# Allegro board T736_DEMO_CORE_AXP8191_LP4_4X_32X1_V0_5-draft.brd (continued)
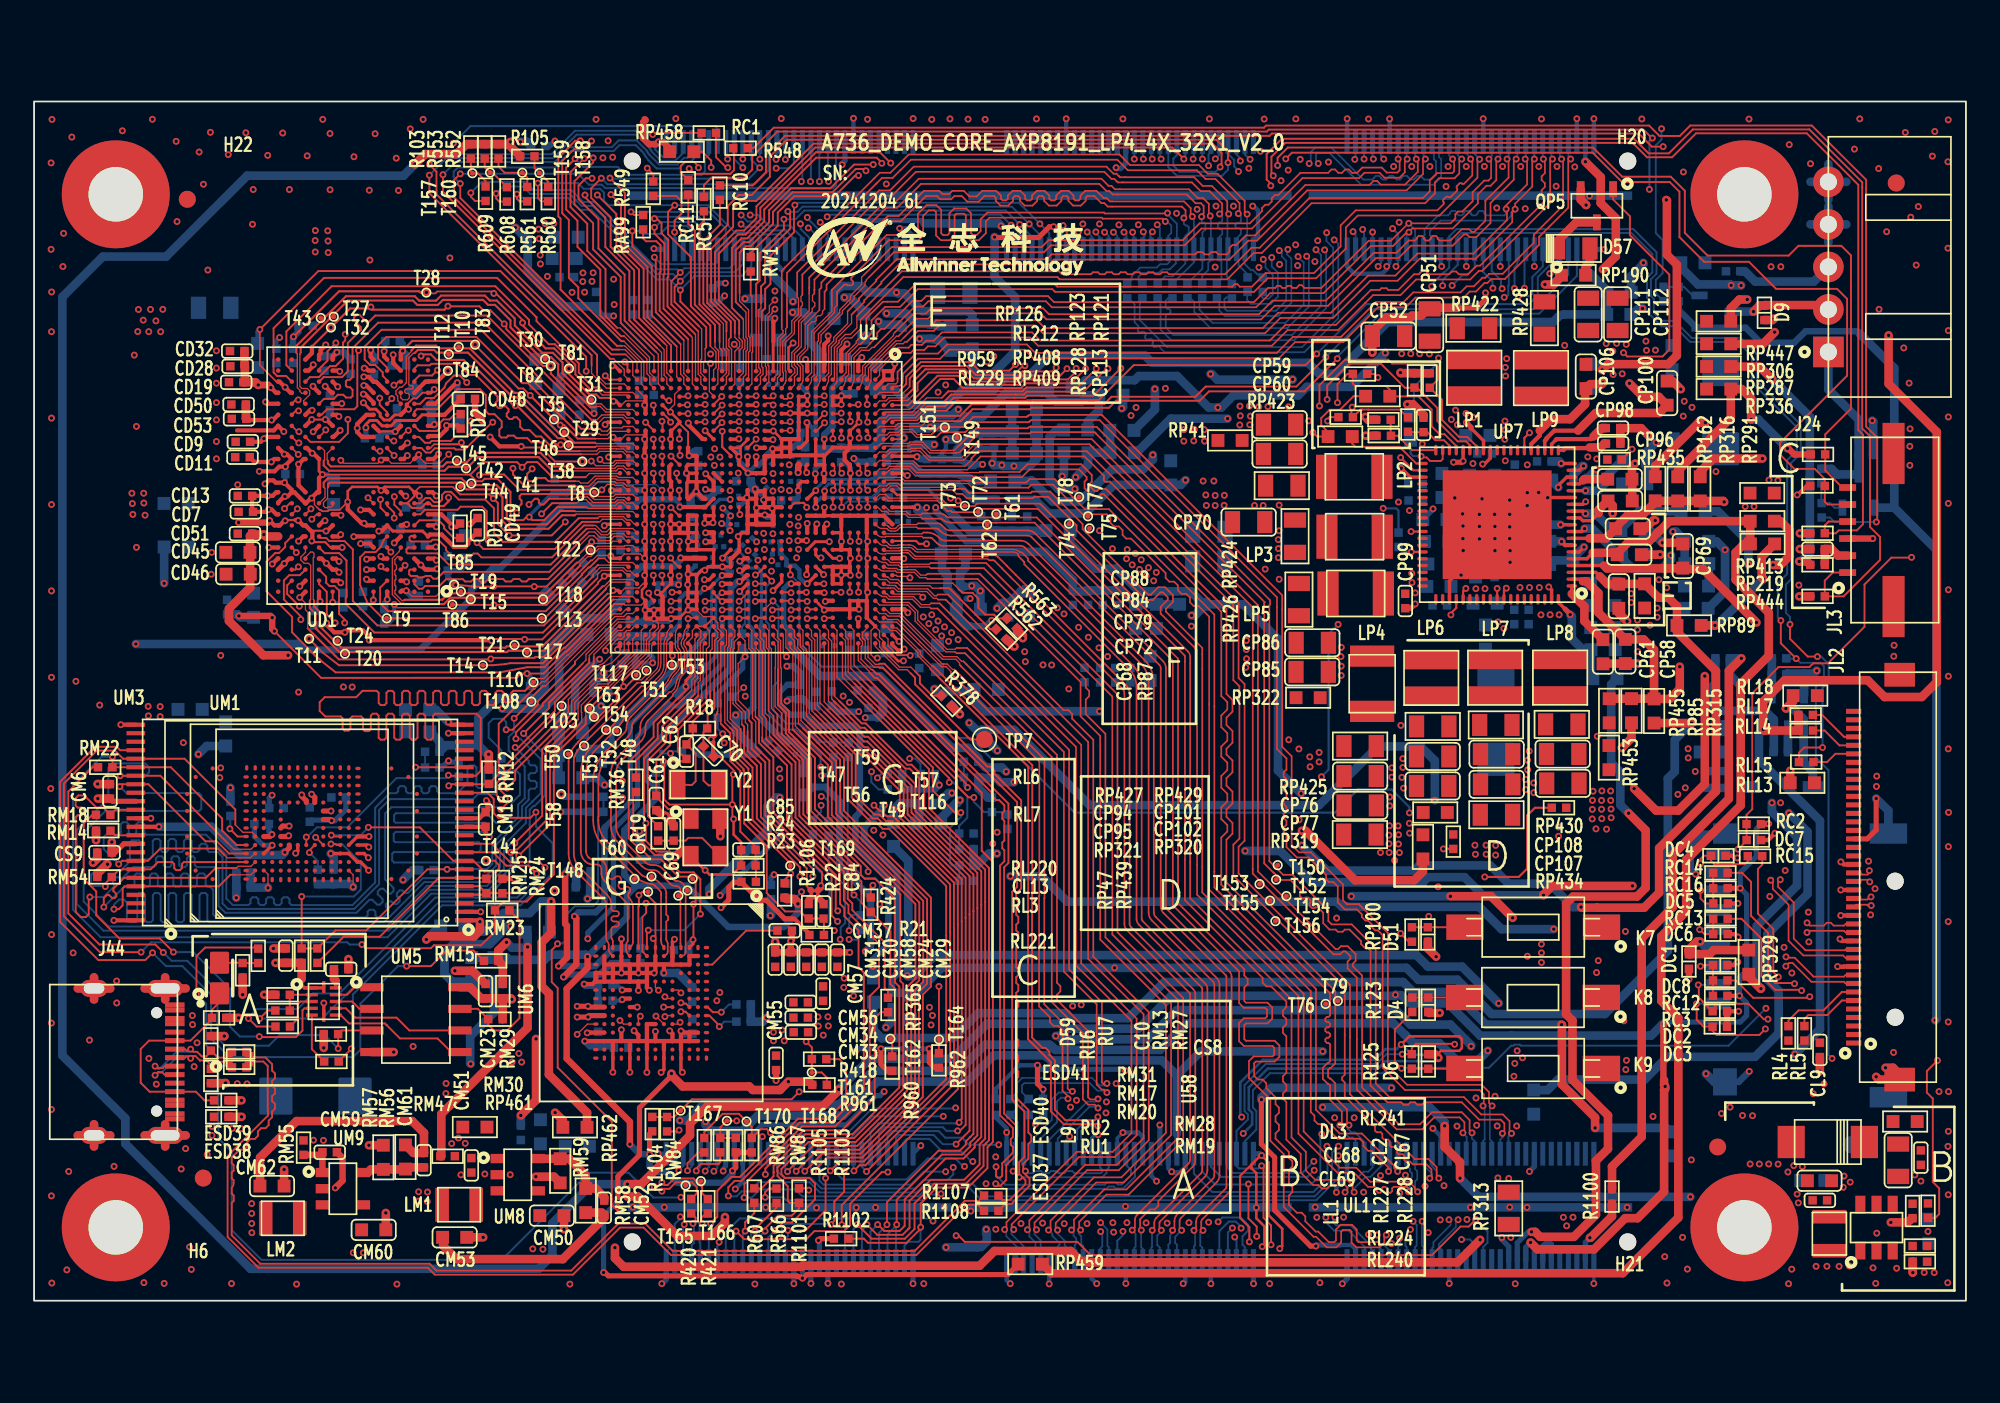
[diagram p0: board, top side]
## Routing (per net, layer and track width the routed paths; a pad name or vN(x,y) marks a point on that pad's centre or on a via; arc(x,y) is an arc through that point) (continued)
  BOTTOM w0.114: v1(41.25,4.09) 41.25,3.99 41.14,3.89 J48.18 ; v1(47.88,21.24) 47.9,21.23 48.32,21.23 48.55,21.46 R425.2
PL8: length 3.7
  TOP w0.114: R607.2 42.32,5.15 41.78,4.62 v1(41.78,4.09)
  BOTTOM w0.114: v1(41.78,4.09) 41.64,3.95 J48.20
PL9: length 4.1
  TOP w0.114: v1(42.35,4.09) 42.35,4.21 43.62,5.48 R566.2
  BOTTOM w0.114: v1(42.35,4.09) 42.25,4.09 42.14,3.98 J48.22
PL10: length 47.4
  TOP w0.076: 43.9,36.24 43.9,37.18 43.86,37.22 43.86,38.8 43.67,38.99 43.67,39.37 43.42,39.62 U1.R31
  TOP w0.114: 43.9,36.24 43.9,35.11 44.35,34.66 44.35,33.44 45.88,31.91 45.88,28.9 50.89,23.88 50.89,18.79 51.06,18.63 51.06,12.44 48.18,9.56 45.4,9.56 43.68,7.84 43.68,7.65 43.68,7.33 44.28,6.73 44.28,5.87 44.39,5.75 R1101.1 44.94,5.43 44.51,5 43.7,5 42.95,4.25 v1(42.95,4.09)
  BOTTOM w0.114: J48.24 42.64,3.79 v1(42.95,4.09)
PL11: length 48.5
  TOP w0.076: 44.58,33.57 44.58,37.99 44.17,38.39 44.17,39.4 U1.P31
  TOP w0.114: v1(43.53,4.12) 44.01,4.6 44.53,4.6 45.88,5.95 45.88,6.89 45.54,7.22 44.12,7.22 43.91,7.44 43.91,7.74 45.5,9.33 48.27,9.33 51.29,12.35 51.29,18.44 51.78,18.93 51.78,23.32 46.64,28.46 46.64,31.51 44.58,33.57
  BOTTOM w0.114: v1(43.53,4.12) 43.14,3.73 J48.26
PL12: length 30.4
  TOP w0.114: v1(46.82,4.48) 46.82,4.49 47.02,4.69 47.02,5.83 47.59,6.4 v1(47.59,7.63)
  L4 w0.114: v1(47.59,7.63) 47.59,10.07 49.38,11.86 49.38,17.88 47.36,19.9 v1(47.36,21.24)
  BOTTOM w0.114: J48.28 43.64,3.48 43.93,3.77 43.93,4.3 44.14,4.51 46.78,4.51 v1(46.82,4.48) ; v1(47.36,21.24) 47.39,21.27 47.39,21.93 47.65,22.2 47.65,24.4 46.67,25.37 RP391.2
PL13: length 29.3
  TOP w0.114: v1(46.5,7.21) 46.5,5.32 45.33,4.14 v1(44.29,4.14)
  L4 w0.114: v1(47.01,21.76) 47,21.74 47,18.43 49.14,16.29 49.14,12.81 46.36,10.03 46.36,7.36 v1(46.5,7.21)
  BOTTOM w0.114: v1(47.01,21.76) 46.73,22.05 46.73,24.68 45.76,25.64 RP388.2 ; v1(44.29,4.14) 44.29,3.8 44.14,3.65 J48.30
PM5: length 25
  TOP w0.076: U1.U31 42.67,39.4 42.67,38.98 42.87,38.78 42.87,38.34 42.97,38.24 42.97,34.54 43.21,34.29 43.21,33.18
  TOP w0.114: RP365.1 50.17,18.21 49.97,18.4 49.97,21.06 48.07,22.96 48.07,23.36 47.81,23.62 47.81,25.29 47.8,25.3 47.8,25.34 47.67,25.47 47.67,25.47 47.48,25.66 45.27,27.87 44.74,28.41 44.74,31.66 43.21,33.18
PMU-PWRON: length 72
  TOP w0.114: v1(77.44,52.53) 77.39,52.48 77.39,52.03 R959.2 77.93,52.39 78.03,52.39 78.03,52.39 78.39,52.39 78.39,52.39 80.25,52.39 80.7,51.94 RP128.1 ; v1(80.29,21.59) 80.77,21.1 RP100.2
  L4 w0.114: v1(75.96,9.08) 75.96,8.54 76.35,8.15 78.02,8.15 81.65,11.79 81.65,17.32 82.41,18.08 82.41,19.47 81.65,20.22 81.65,20.22 v1(80.29,21.59) 80.29,23.83 78.14,25.97 78.14,31.24 74,35.38 74,51.39 74.81,52.21 77.12,52.21 v1(77.44,52.53)
  BOTTOM w0.114: J48.105 68.14,7.48 69.22,6.39 75.17,6.39 75.99,7.22 75.99,9.05 v1(75.96,9.08)
PMU-SCK: length 153.9
  TOP w0.076: 43.01,33.02 43.01,34.23 42.79,34.45 42.79,38.2 42.69,38.3 42.69,38.75 42.42,39.01 U1.U32
  TOP w0.114: UP7.32 84.76,50.23 84.2,50.78 83.72,50.78 82.72,51.79 82.72,52.96 RP121.1 82.51,54.18 82.51,54.86 82.27,55.09 79.79,55.09 79.56,55.32 77.01,55.32 75.52,53.82 v1(75.52,52.6) ; 43.01,33.02 44.5,31.53 44.5,28.31 44.51,28.31 47.38,25.44 47.57,25.25 47.57,25.2 47.58,25.2 47.58,23.53 47.84,23.26 47.84,22.8 49.64,21 49.64,18.45 49.09,17.9 49.09,12.27 47.07,10.25 45.12,10.25 41.73,6.86 41.73,6.08 v1(41.72,6.06)
  L4 w0.114: v1(41.72,6.06) 41.69,6.04 41.69,5.96 41.51,5.78 39.47,5.78 38.78,6.47 37.88,6.47 37.63,6.22 37.63,5.28 v1(37.97,4.93) ; v1(75.52,52.6) 74.85,52.6 73.77,51.52 73.77,35.29 77.71,31.35 77.71,25.9 79.87,23.74 79.87,21.43 81.42,19.88 81.42,19.87 81.78,19.51 81.78,18.05 81.42,17.69 81.42,14.9 81.42,11.88 78.06,8.52 v1(76.64,8.52)
  BOTTOM w0.114: v1(76.64,8.52) 76.64,7.22 75.33,5.91 55.67,5.91 54.94,6.64 52.46,6.64 51.96,6.14 45.13,6.14 44.73,6.54 42.65,6.54 42.17,6.06 v1(41.72,6.06) ; J48.4 37.64,4.51 37.97,4.84 v1(37.97,4.93)
PMU-SDA: length 151.3
  TOP w0.076: U1.U33 42.42,38.35 42.59,38.19 42.59,34.4 42.78,34.21 42.78,33.13
  TOP w0.114: UP7.33 84.36,50.29 84.13,50.52 83.64,50.52 82.44,51.72 82.44,52.49 81.25,53.68 RP123.1 80.54,53.67 79.12,55.09 77.26,55.09 75.97,53.8 v1(75.97,52.98) ; 42.78,33.13 42.78,32.91 44.23,31.46 44.23,28.26 44.28,28.22 47.34,25.15 47.34,25.11 47.35,25.1 47.35,23.33 47.6,23.08 47.6,22.61 48.44,21.77 48.44,19.61 48.75,19.3 48.75,12.4 46.83,10.47 44.98,10.47 41.56,7.05 41.16,7.05 40.79,6.67 v1(40.79,6.16)
  L4 w0.114: v1(38.2,4.48) 37.91,4.48 37.38,5 37.38,6.3 37.8,6.72 40.2,6.72 40.75,6.16 v1(40.79,6.16) ; v1(76.63,9.08) 78.3,9.08 81.19,11.97 81.19,15.07 81.19,19.31 79.44,21.06 79.44,23.61 77.36,25.7 77.36,31.38 73.51,35.22 73.51,51.74 74.76,52.98 v1(75.97,52.98)
  BOTTOM w0.114: v1(38.2,4.48) 38.14,4.42 J48.6 ; v1(40.79,6.16) 40.81,6.14 41.28,6.14 41.57,6.42 42.02,6.42 42.56,6.97 45.56,6.97 46.16,6.37 51.86,6.37 52.37,6.87 55.15,6.87 55.88,6.14 64.11,6.14 64.12,6.14 68.46,6.14 68.46,6.14 75.24,6.14 76.26,7.16 76.26,8.71 v1(76.63,9.08)
PMU-WKUP: length 5
  TOP w0.114: RL229.2 77.45,50.38 77.63,50.2 80.22,50.2 81.2,49.22 UP7.39
PS: length 26.2
  TOP w0.203: UP7.75 89.16,41.79 v1(88.99,41.96)
  TOP w0.508: v1(88.76,59.74) 89.25,59.74 89.74,60.23 RP190.1
  L3 w0.508: 81.56,47.86 80.93,48.49 80.93,50.81 79.6,52.14 79.6,54.5 79.57,54.52 79.57,54.53 79.21,54.89 79.2,54.89 79.09,55 78.54,55 arc(78.34,55.04) 78.18,55.15 77.85,55.48 77.85,56.46 80.37,58.98 83.81,58.98 85.07,60.24 88.27,60.24 v1(88.76,59.74)
  BOTTOM w0.305: CP49.2 82.19,46.52 v1(82.19,46.55)
  vias: v1(18.75,2.82) v1(19.35,2.82) v1(29.3,3.05) v1(29.9,3.03) v1(80.16,46.95) v1(80.81,46.46) v1(80.94,42.76) v1(80.95,42.22) v1(81.14,41.61) v1(84.71,41.86) v1(85.24,41.86) v1(86.42,51.71) v1(86.42,51.2) v1(86.41,50.64) v1(86.43,49.38) v1(87.3,41.93) v1(87.86,41.93) v1(88.44,41.93)
RTC-VIO: length 3.4
  TOP w0.203: v1(41.45,41.7) 41.47,41.7 U1.V26
  BOTTOM w0.127: v1(41.45,41.7) 41.77,41.37 41.77,39.81 41.59,39.63 C40.1
S-RJTAG-CK: length 17.1
  TOP w0.076: U1.Y32 40.83,39.05 40.83,38.48 40.73,38.39 40.73,34.12 41.14,33.71
  TOP w0.114: 41.14,33.71 41.31,33.54 41.31,31.94 41.97,31.28 41.97,28.18 44.43,25.72 T169.1 44.43,25.14 v1(44.46,25.11) 44.09,24.74 R1106.1
  BOTTOM w0.114: RW85.1 44.21,24.86 v1(44.46,25.11)
S-RJTAG-DI: length 34.1
  TOP w0.114: R1105.1 40.32,9.57 RW87.1 40.32,10.19 T170.1 v1(41.28,10.58) ; U1.V30 41.47,40.15 v1(41.42,40.1)
  L4 w0.114: v1(41.42,40.1) 41.42,39.52 41.06,39.15 41.06,37.19 42.25,36 42.25,32.34 42.64,31.95 42.64,26.76 42.19,26.32 42.19,11.49 v1(41.28,10.58)
S-RJTAG-DO: length 56.6
  TOP w0.076: U1.V31 41.92,39.64 42.17,39.39 42.17,38.39 42.38,38.18 42.38,34.34
  TOP w0.114: v1(47.22,22.92) 47.1,23.03 47.1,25.03 43.43,28.7 43.43,31.96 42.59,32.8 42.59,34.13 42.38,34.34 ; RW86.1 39.38,9.91 40.46,10.99 41.41,10.99 T168.1 42.16,10.23 R1103.1 42.18,9.57 42.69,10.08 43.06,10.08 43.25,9.88 v1(43.26,9.88)
  L4 w0.114: v1(47.22,22.92) 47.96,22.17 50.67,22.17 53.52,19.32 53.52,18.21 53.31,18 52.01,18 51.2,17.18 51.2,12.49 50.74,12.04 50.74,12.04 50.61,11.9 50.61,7.4 49.99,6.77 46.2,6.77 45.77,7.2 44.03,7.2 43.26,7.97 v1(43.26,9.88)
S-RJTAG-MS: length 43
  TOP w0.076: 41.5,33.61 40.91,34.2 40.91,34.32 40.91,34.33 40.91,34.59 40.91,34.59 40.91,38.35 40.98,38.42 40.98,38.84 41.17,39.04 41.17,39.4 U1.Y31
  TOP w0.114: R1104.1 36.33,10.8 RW84.1 37.61,10.8 T167.1 38.65,11.84 44.51,11.84 44.95,12.28 v1(44.95,12.28) ; v1(44.99,24.95) 44.99,25.48 42.21,28.26 42.21,31.34 41.51,32.04 41.51,33.6 41.5,33.61
  L4 w0.114: v1(44.99,24.95) 44.45,24.4 44.45,22.89 45.92,21.42 45.92,18.43 48.68,15.67 48.68,14.4 46.57,12.28 v1(44.95,12.28)
SCA0-A: length 18.3
  TOP w0.114: UD1.H2 22.7,46.23 22.97,46.5 24.88,46.5 25.06,46.68 26.33,46.68 26.6,46.41 26.6,44.78 v1(26.68,44.7) ; U1.AH20 36.92,45.61 v1(36.89,45.65)
  L4 w0.076: v1(36.89,45.65) 36.56,45.97 35.72,45.97 35.51,45.76
  L4 w0.114: v1(26.68,44.7) 27.24,44.14 31.75,44.14 32.6,44.99 32.99,44.99 33.11,44.86 34.24,44.86 34.86,45.48 35.23,45.48 35.51,45.76
SCA0-B: length 15.7
  TOP w0.076: v1(33.36,47.67) 33.69,47.99 34.07,47.99 34.14,47.92 34.58,47.92 34.86,47.65 U1.AM15
  TOP w0.114: UD1.R2 22.62,50.78 22.96,50.44 23.25,50.44 23.36,50.55 24.48,50.55 24.76,50.83 25.48,50.83 25.66,51 v1(25.66,51.71)
  L4 w0.114: v1(25.66,51.71) 25.68,51.69 25.68,51.57 26.12,51.14 26.94,51.14 27.15,50.93 28.43,50.93 31.73,47.63 33.24,47.63 33.25,47.64 33.34,47.64 v1(33.36,47.67)
SCA1-A: length 16.6
  TOP w0.076: 33.12,46 33.21,46.09 34.63,46.09 34.82,45.9 35.03,45.9 35.28,45.65 U1.AL19
  TOP w0.114: UD1.J2 22.69,46.88 23,47.19 23.26,47.19 23.5,46.95 23.82,46.95 23.97,47.09 23.97,47.37 24.15,47.55 24.5,47.55 24.95,47.1 26.5,47.1 27.02,46.58 27.02,45.14 27.55,44.62 30.61,44.62 32,46 33.12,46
SCA1-B: length 19.7
  TOP w0.114: U1.AF16 37.92,47.63 v1(37.9,47.65) ; UD1.P2 22.76,50.13 23.03,49.86 23.3,49.86 23.55,50.11 24.7,50.11 24.77,50.04 25.31,50.04 26.91,51.64 v1(26.95,51.64)
  L4 w0.076: v1(37.9,47.65) 37.35,48.21 37.35,48.74 37.12,48.97 35.57,48.97 35.5,48.9
  L4 w0.114: 35.5,48.9 35.01,48.41 33.21,48.41 32.83,48.03 31.94,48.03 28.62,51.35 27.62,51.35 27.32,51.65 v1(26.95,51.65)
SCA2-A: length 23.4
  TOP w0.102: v1(16.32,45.94) 16.61,46.23 UD1.H9
  TOP w0.114: v1(36.38,45.65) 36.42,45.61 U1.AJ20
  L4 w0.114: v1(16.32,45.94) 16.94,46.56 18.57,46.56 19.05,46.08 19.55,46.08 19.82,45.81 20.24,45.81 21.07,44.98 21.28,44.98 21.59,44.68 24.76,44.68 25.72,43.72 32.43,43.72 33.18,44.47 34.33,44.47 35.11,45.24 35.98,45.24 v1(36.38,45.65)
SCA2-B: length 24.8
  TOP w0.102: v1(17.14,51.19) 17.14,51.17 UD1.R9
  TOP w0.114: v1(37.75,48.65) 37.75,48.32 U1.AF14
  L4 w0.076: 35.37,49.16 37.48,49.16 37.75,48.89 v1(37.75,48.65)
  L4 w0.114: 35.37,49.16 34.84,49.16 34.02,49.98 33.53,49.98 33.08,50.43 32.13,50.43 31.44,51.12 30.63,51.12 29.15,52.6 28.84,52.6 28.57,52.87 28.53,52.87 28.42,52.98 28.12,52.98 28.01,52.87 27.91,52.87 27.73,53.05 25.02,53.05 24.69,52.72 23.02,52.72 22.94,52.65 22.41,52.65 22.29,52.76 21.81,52.76 21.32,52.28 20.65,52.28 20.18,51.81 18.96,51.81 18.58,51.43 18.31,51.43 18.17,51.56 17.51,51.56 v1(17.14,51.19)
SCA3-A: length 21.6
  TOP w0.076: U1.AM19 34.83,45.75 34.76,45.75 34.56,45.94 33.39,45.94 33.23,45.79 33.14,45.79
  TOP w0.114: v1(16.27,46.55) 16.25,46.54 UD1.H10 ; 33.14,45.79 32.19,45.79 30.6,44.19 26.4,44.19 v1(26.03,44.56)
  L4 w0.114: v1(16.27,46.55) 16.34,46.55 16.85,47.06 17.7,47.06 17.98,47.34 18.9,47.34 19.2,47.04 19.2,47.03 19.99,46.24 20.39,46.24 20.41,46.23 20.42,46.23 21.16,45.49 21.16,45.49 21.19,45.47 21.39,45.47 21.75,45.11 24.93,45.11 25.48,44.56 v1(26.03,44.56)
SCA3-B: length 24.8
  TOP w0.114: U1.AJ12 36.42,49.61 v1(36.38,49.65) ; v1(18.44,51.81) 18.44,51 17.93,50.49 16.24,50.49 UD1.R10
  L4 w0.076: 35.44,49.44 35.54,49.33 36.06,49.33 v1(36.38,49.65)
  L4 w0.114: v1(18.44,51.81) 19.01,52.38 20.16,52.38 20.44,52.67 21.2,52.67 21.7,53.17 24.42,53.17 24.73,53.47 25.51,53.47 25.72,53.69 29.26,53.69 29.89,53.07 30.28,53.07 32.52,50.83 33.27,50.83 33.72,50.38 34.26,50.38 35.2,49.44 35.44,49.44
SCA4-A: length 24.9
  TOP w0.102: v1(15.47,46.56) UD1.H11
  TOP w0.114: v1(36.89,46.65) 36.92,46.61 U1.AH18
  L4 w0.076: 35.41,46.33 36.57,46.33 v1(36.89,46.65)
  L4 w0.114: v1(15.47,46.56) 15.47,46.85 16.24,47.62 17.5,47.62 17.97,48.09 24.78,48.09 25.17,47.7 27.04,47.7 27.52,47.22 29.37,47.22 30.57,46.02 30.57,45.91 31.06,45.42 31.58,45.42 31.89,45.72 33.03,45.72 33.39,46.08 35.08,46.08 35.33,46.33 35.41,46.33
SCA4-B: length 22.6
  TOP w0.076: v1(32.74,49.36) 33.01,49.09 34.06,49.09 34.22,49.25 34.83,49.25 U1.AM12
  TOP w0.102: UD1.R11 15.5,50.43 v1(15.56,50.43)
  L4 w0.114: v1(15.56,50.43) 15.8,50.19 19.24,50.19 20.92,51.88 21.89,51.88 22.05,52.04 22.15,52.04 22.17,52.06 22.96,52.06 23.19,52.3 24.89,52.3 25.22,52.63 27.56,52.63 28.01,52.18 28.97,52.18 30.47,50.68 31.09,50.68 31.77,50 32.13,50 32.74,49.39 v1(32.74,49.36)
SCA5-A: length 25.1
  TOP w0.114: v1(14.72,46.57) 15.03,46.88 UD1.J11 ; v1(36.38,46.65) 36.42,46.61 U1.AJ18
  L4 w0.114: v1(14.72,46.57) 14.72,46.69 16.07,48.04 17.2,48.04 17.68,48.51 24.95,48.51 25.35,48.12 27.21,48.12 27.68,47.65 29.89,47.65 31.47,46.07 32.83,46.07 33.37,46.61 35.06,46.61 35.44,46.98 36.04,46.98 v1(36.38,46.65)
SCA5-B: length 23.7
  TOP w0.076: v1(33.25,49.46) 33.47,49.24 33.99,49.24 34.15,49.4 35.17,49.4 U1.AL12
  TOP w0.102: UD1.P11 v1(15.52,49.75)
  L4 w0.114: v1(15.52,49.75) 15.78,49.75 16.1,49.44 16.5,49.44 16.83,49.77 19.36,49.77 21.09,51.5 21.73,51.5 21.88,51.65 23.13,51.65 23.36,51.88 25.06,51.88 25.39,52.22 27.38,52.22 27.83,51.76 28.8,51.76 31.61,48.95 32.98,48.95 33.25,49.22 v1(33.25,49.46)
SCKE0-A: length 21.4
  TOP w0.114: UD1.J4 20.74,46.74 21.16,46.33 v1(21.16,46.01) ; U1.AF18 37.89,46.15 v1(37.42,46.63)
  L4 w0.076: v1(37.42,46.63) 37.42,46.23 37.35,46.16 35.57,46.16 35.43,46.02
  L4 w0.114: v1(21.16,46.01) 22.33,46.01 22.46,45.88 24.82,45.88 25.54,45.17 26.89,45.17 27.46,44.59 28.32,44.59 28.43,44.71 28.43,44.87 28.54,44.98 28.77,44.98 28.89,44.87 28.89,44.71 29,44.59 29.45,44.59 29.57,44.71 29.57,44.89 29.68,45 29.91,45 30.03,44.89 30.03,44.71 30.14,44.59 30.31,44.59 30.49,44.78 30.49,44.88 30.64,45.03 30.83,45.03 30.97,44.89 30.97,44.72 31.09,44.59 31.53,44.59 32.34,45.4 33.09,45.4 33.29,45.2 34.07,45.2 34.65,45.78 35.19,45.78 35.43,46.02
SCKE0-B: length 19
  TOP w0.114: v1(21.15,49.69) 20.74,50.1 UD1.P4 ; U1.AH14 36.92,48.61 v1(36.89,48.65)
  L4 w0.114: v1(36.89,48.65) 36.26,48.02 35.75,48.02 34.67,46.94 32.95,46.94 32.62,46.61 31.55,46.61 30.07,48.09 27.84,48.09 26.93,49.01 26.21,49.01 25.83,49.01 25.53,49.3 21.54,49.3 v1(21.15,49.69)
SCKE1-A: length 18.2
  TOP w0.076: 31.77,46.89 31.89,46.89 32.1,47.1 32.43,47.1 32.8,46.73 34.14,46.73 34.34,46.92 34.58,46.92 34.86,46.65 U1.AM17
  TOP w0.102: v1(19.62,47.2) UD1.J5
  TOP w0.114: v1(29.82,46.26) 30.44,46.89 31.77,46.89
  L4 w0.114: v1(19.62,47.2) 20.15,46.67 20.84,46.67 21.02,46.49 22.41,46.49 22.49,46.41 25.46,46.41 26.29,45.58 27.07,45.58 27.2,45.45 29.87,45.45 30.06,45.63 30.06,45.93 29.82,46.17 v1(29.82,46.26)
SCKE1-B: length 18.9
  TOP w0.102: v1(20.33,49.95) 20.32,49.95 20.12,49.95 UD1.P5
  TOP w0.114: U1.AJ14 36.42,48.61 v1(36.38,48.65)
  L4 w0.114: v1(20.33,49.95) 20.49,50.11 21.32,50.11 21.37,50.06 22.2,50.06 22.3,50.16 24.57,50.16 25,49.72 25.7,49.72 25.95,49.48 27.06,49.48 28.02,48.51 30.2,48.51 30.2,48.51 30.24,48.51 31.48,47.26 34.47,47.26 35.49,48.28 36.01,48.28 v1(36.38,48.65)
SCKN-A: length 22.4
  TOP w0.076: 31.77,46.42 31.79,46.4 35.17,46.4 U1.AL18 ; 17.02,47.83 17.02,47.82 17.03,47.81 17.04,47.81 17.09,47.76 17.09,47.23 UD1.J9
  TOP w0.114: 31.73,46.43 31.74,46.42 31.77,46.42
  TOP w0.127: 17.02,47.83 17.02,48.1 17.26,48.35 25.11,48.35 25.32,48.14 25.51,47.95 25.69,47.95 ; 31.73,46.43 30.92,46.43 30.12,45.63 28.09,45.63 27.77,45.95 27.77,47.35 27.17,47.95 25.69,47.95 ; 25.69,47.95 T41.1
SCKN-B: length 20.2
  TOP w0.076: U1.AM13 34.85,48.65 34.57,48.92 34.33,48.92 34.19,48.78 31.6,48.78 31.6,48.79 ; 17.02,49.37 17.07,49.42 17.07,49.97 16.91,50.13 UD1.P9
  TOP w0.127: 17.02,49.37 17.02,49.11 17.33,48.79 24.12,48.79 24.36,49.03 25.38,49.03 ; 25.38,49.03 T42.1 ; 25.38,49.03 25.52,49.03 26.08,49.59 29.65,49.59 30.45,48.79 31.6,48.79
SCKP-A: length 22.3
  TOP w0.076: U1.AM18 34.83,46.25 31.84,46.25 31.77,46.18 ; UD1.J8 17.56,46.86 17.56,46.76 17.47,46.66 17.28,46.66 17.24,46.62 17.1,46.62 17,46.72 17,46.93 17.25,47.17 17.25,47.79 17.27,47.81 17.27,47.83
  TOP w0.114: 31.67,46.17 31.73,46.17 31.73,46.17 31.73,46.17 31.74,46.18 31.77,46.18
  TOP w0.127: 25.14,47.96 25.41,47.69 27.07,47.69 27.52,47.25 27.52,45.84 27.98,45.38 30.23,45.38 31.02,46.17 31.67,46.17 ; 25.14,47.96 T44.1 ; 25.14,47.96 25.01,48.09 17.37,48.09 17.27,47.99 17.27,47.83
SCKP-B: length 20.3
  TOP w0.076: UD1.P8 17.22,49.81 17.22,49.43 17.27,49.38 17.27,49.37 ; 31.7,49.04 31.81,48.94 34.13,48.94 34.27,49.07 34.64,49.07 34.81,48.9 35.17,48.9 U1.AL13
  TOP w0.127: 31.7,49.04 30.56,49.04 29.75,49.85 25.98,49.85 25.41,49.28 24.85,49.28 ; 24.85,49.28 T45.1 ; 24.85,49.28 24.25,49.28 24.01,49.05 17.44,49.05 17.27,49.21 17.27,49.37
SCS0-A: length 19.1
  TOP w0.076: U1.AL17 35.17,46.9 34.82,46.9 34.64,47.07 34.27,47.07 34.13,46.93 32.84,46.93 32.52,47.25 31.88,47.25 31.77,47.15
  TOP w0.114: 31.77,47.15 30.28,47.15 29.93,46.81 29.76,46.81 29.66,46.91 29.66,47.06 29.57,47.15 29.42,47.15 v1(29.08,46.81) ; UD1.H4 20.35,46.62 v1(20.35,47.1)
  L4 w0.114: v1(20.35,47.1) 20.4,47.1 20.97,47.68 24.6,47.68 25.03,47.25 26.31,47.25 26.47,47.09 26.47,46.59 26.64,46.42 26.85,46.42 27.18,46.75 28.55,46.75 28.87,46.43 29.21,46.43 29.31,46.53 29.31,46.68 29.23,46.76 29.12,46.76 v1(29.08,46.81)
SCS0-B: length 16.6
  TOP w0.076: 31.81,47.88 32.6,47.88 33.04,48.32 34.18,48.32 34.25,48.25 34.83,48.25 U1.AM14
  TOP w0.102: v1(21.14,50.54) 20.98,50.54 UD1.R4
  TOP w0.114: v1(28.14,48.93) 28.14,48.58 28.78,47.93 31.75,47.93 31.81,47.88
  L4 w0.114: v1(21.14,50.54) 21.5,50.54 21.75,50.79 22.31,50.79 22.48,50.62 24.65,50.62 24.89,50.85 25.21,50.85 26.1,49.97 27.64,49.97 28.14,49.47 v1(28.14,48.93)
SCS1-A: length 18.2
  TOP w0.076: 32.85,47.17 32.92,47.1 34.08,47.1 34.21,47.23 34.71,47.23 34.79,47.15 U1.AM16
  TOP w0.114: v1(21.17,47.27) 21.17,46.79 21.54,46.41 UD1.H3 ; 32.85,47.17 32.6,47.42 28.64,47.42 28.53,47.31 28.53,47.15 28.64,47.03 28.64,46.84 28.5,46.69 28.35,46.69 28.24,46.58 28.24,46.45 v1(28.35,46.33)
  L4 w0.114: v1(28.35,46.33) 28.52,46.17 28.52,46.02 28.36,45.86 27.89,45.86 27.78,45.97 27.78,46.21 27.65,46.33 27.41,46.33 27.08,46 26.46,46 26.05,46.41 26.05,46.68 25.9,46.83 25.51,46.83 25.5,46.83 22.66,46.83 22.56,46.94 21.31,46.94 21.17,47.08 v1(21.17,47.27)
SCS1-B: length 17.2
  TOP w0.076: U1.AL14 35.17,48.4 34.32,48.4 34.24,48.48 32.95,48.48 32.54,48.07 32.12,48.07 32.01,48.18 31.8,48.18
  TOP w0.114: 31.8,48.18 30.22,48.18 30.03,48.36 29.6,48.36 29.42,48.18 29.08,48.18 28.97,48.29 28.97,48.61 v1(29.26,48.91) ; v1(21.99,51.16) 21.93,51.16 UD1.R3
  L4 w0.114: v1(29.26,48.91) 29.43,49.07 29.43,49.25 29.02,49.66 28.66,49.66 27.93,50.39 26.27,50.39 25.39,51.27 24.72,51.27 24.53,51.08 23.21,51.08 23.06,51.23 22.05,51.23 v1(21.99,51.16)
SDC0-CLK: length 130.3
  TOP w0.114: v1(103.84,18.23) 103.83,18.23 103.79,18.28 102.29,18.28 101.49,19.07 101.49,21.27 100.31,22.45 RC13.1 ; RC1.2 36.5,68.65 36.42,68.57 36.36,68.57 v1(36.35,68.56)
  L3 w0.114: v1(36.35,68.56) 36.36,68.57 36.42,68.57 36.45,68.6 36.89,68.6 37.14,68.36 45.17,68.36 48.33,65.19 50.38,65.19 50.98,65.8 70.8,65.8 71.37,66.37 v1(71.37,66.57)
  L4 w0.114: v1(71.37,66.57) 71.44,66.5 72.13,66.5 73.22,67.59 91.37,67.59 98.59,60.37 98.59,60.14 100.47,58.26 100.47,58.13 104.13,54.48 106.8,54.48 109.78,51.5 109.78,43 110.25,42.54 110.25,23 105.52,18.28 103.89,18.28 103.85,18.23 v1(103.84,18.23)
SDC0-CMD: length 146.5
  TOP w0.114: v1(104.32,17.87) 104.26,17.81 101,17.81 99.98,18.83 RC12.1 ; U1.AB7 39.92,51.68 40.38,52.13 v1(40.42,52.13)
  L4 w0.076: v1(40.42,52.13) 40.93,52.64 40.93,53.5 41,53.57
  L4 w0.114: 41,53.57 41,55.88 39.52,57.36 39.52,61.64 40.55,62.66 40.55,65.41 41.27,66.13 41.27,67.26 41.95,67.94 68.65,67.94 68.79,67.94 69.76,67.94 91.77,67.94 92.72,66.99 92.72,66.74 93.33,66.13 95.38,66.13 96.33,65.17 96.33,63.62 99.02,60.93 101.18,60.93 101.74,60.37 102.78,60.37 104.26,61.86 106.13,61.86 107.04,60.95 107.2,60.95 107.51,61.27 107.68,61.27 107.84,61.1 107.84,60.94 107.53,60.63 107.53,60.47 107.69,60.31 107.85,60.31 108.16,60.62 108.32,60.62 108.48,60.46 108.48,60.3 108.17,59.98 108.17,59.82 108.33,59.66 108.5,59.66 108.81,59.97 108.97,59.97 109.13,59.81 109.13,59.65 108.82,59.34 108.82,59.18 108.98,59.01 109.14,59.01 109.45,59.33 109.62,59.33 109.78,59.16 109.78,59 109.47,58.69 109.47,58.53 110.88,57.12 110.88,22.99 105.77,17.87 v1(104.32,17.87)
SDC0-D0: length 149.5
  TOP w0.114: RC14.1 100.34,25.15 100.87,24.62 100.87,22.62 101.27,22.22 101.88,21.62 101.88,19.1 102.3,18.68 102.32,18.68 102.32,18.67 102.62,18.67 102.63,18.68 103.39,18.68 v1(103.43,18.64) ; v1(40.4,53.16) 39.92,52.68 U1.AB5
  L4 w0.114: v1(40.4,53.16) 40.4,55.81 39.02,57.2 39.02,60.71 39.02,61.87 39.95,62.79 39.95,65.67 40.37,66.09 40.37,67.46 41.08,68.17 68.65,68.17 68.88,68.17 93.66,68.17 96.56,65.27 96.56,63.76 99.05,61.27 102.51,61.27 103.42,62.18 108.6,62.18 111.11,59.67 111.11,22.49 106.06,17.44 103.96,17.44 103.43,17.97 v1(103.43,18.64)
SDC0-D1: length 155.3
  TOP w0.114: v1(102.47,19.03) 102.18,19.33 102.18,21.85 101.28,22.76 101.28,25.38 101.53,25.64 RC15.1 ; U1.AB8 39.94,51.15 v1(40.42,51.62)
  L4 w0.076: v1(40.42,51.62) 40.08,51.96 40.08,54.03
  L4 w0.114: 40.08,54.03 40.08,55.79 38.79,57.09 38.79,60.81 38.79,60.81 38.79,62.02 39.72,62.95 39.72,65.76 40.14,66.18 40.14,67.6 40.94,68.4 68.75,68.4 68.98,68.4 93.76,68.4 96.8,65.36 96.8,63.89 99.14,61.55 102.24,61.55 104.03,63.34 104.03,63.86 104.53,64.36 108.71,64.36 111.34,61.73 111.34,22.11 106.06,16.84 104.13,16.84 102.95,18.02 102.95,18.56 v1(102.47,19.03)
SDC0-D2: length 11.6
  TOP w0.076: U1.AA2 40.42,54.28 40.67,54.53 40.67,55.81 40.5,55.99 40.5,57.43 40.24,57.69
  TOP w0.114: 40.24,57.69 39.32,58.61 39.32,61.76 39.32,61.76 39.32,62.14 39.32,62.14 39.32,62.28 40.29,63.25 RC10.1
SDC0-D3: length 12.2
  TOP w0.076: 40,56.37 40,56.06 40.19,55.88 40.19,55.86 40.22,55.84 40.22,54.79 40.17,54.75 40.17,53.9 U1.AB3
  TOP w0.114: RC11.1 38.44,63.29 38.82,62.91 38.82,58.55 40,57.37 40,56.37
SDC0-DET: length 10.1
  TOP w0.076: 40.28,56.37 40.28,56.01 40.34,55.94 40.34,55.92 40.42,55.84 U1.AA1
  TOP w0.114: RC5.1 39.35,63.48 39.09,63.22 39.09,62.23 39.09,58.57 40.28,57.39 40.28,56.37
SDQ0: length 24.3
  TOP w0.076: 32.84,42.65 32.84,42.69 33.24,43.09 34.63,43.09 34.82,42.9 35.03,42.9 35.28,42.65 U1.AL25
  TOP w0.114: UD1.F9 16.83,44.84 17.17,44.84 17.35,44.66 18.24,44.66 18.73,44.17 18.73,41.14 20.17,39.7 29.95,39.7 32.84,42.59 32.84,42.65
SDQ1: length 23.6
  TOP w0.076: 33.08,42.46 33.11,42.49 33.11,42.7 33.35,42.94 34.56,42.94 34.76,42.75 34.83,42.75 U1.AM25
  TOP w0.114: 33.08,42.46 29.9,39.28 20,39.28 18.31,40.97 18.31,41.31 18.36,41.36 18.36,43.52 17.92,43.95 17.08,43.95 UD1.E9
SDQ2: length 25.3
  TOP w0.114: v1(18.25,39.85) 18.25,40.04 17.92,40.38 17.92,41.75 17.65,42.02 17.35,42.02 17.16,42.21 17.16,42.57 UD1.C9 ; v1(36.89,43.65) 36.92,43.61 U1.AH24
  L4 w0.076: 35.25,42.6 35.25,42.8 35.62,43.18 36.42,43.18 v1(36.89,43.65)
  L4 w0.114: v1(18.25,39.85) 18.54,39.56 19.56,39.56 19.78,39.34 23.84,39.34 24.17,39.67 30.27,39.67 31.21,40.62 33.41,40.62 34.88,42.09 35.25,42.45 35.25,42.6
SDQ3: length 24.2
  TOP w0.114: v1(36.38,43.65) 36.42,43.61 U1.AJ24 ; v1(17.69,39.85) 17.2,40.34 17.2,41.68 16.74,42.13 UD1.B9
  L4 w0.076: 33.66,41.89 33.9,42.13 34.06,42.13 35.26,43.33 36.06,43.33 v1(36.38,43.65)
  L4 w0.114: v1(17.69,39.85) 17.84,40.01 17.84,40.02 18.09,40.26 19.59,40.26 20.09,39.76 23.66,39.76 24,40.09 30.07,40.09 31.08,41.11 33.15,41.11 33.66,41.62 33.66,41.89
SDQ4: length 28.3
  TOP w0.114: UD1.C11 15.36,42.98 15.51,43.14 15.52,43.14 v1(15.53,43.14) ; v1(36.89,42.65) 36.92,42.61 U1.AH26
  L4 w0.076: v1(36.89,42.65) 36.51,43.03 35.75,43.03 35.47,42.75 35.47,42.57
  L4 w0.114: v1(15.53,43.14) 15.53,42.43 15.23,42.12 15.23,40.68 15.49,40.41 16.05,40.41 17.23,39.23 19.19,38.47 20.09,38.47 20.54,38.92 24.01,38.92 24.34,39.25 30.63,39.25 31.57,40.19 33.34,40.19 35.47,42.32 35.47,42.57
SDQ5: length 29.4
  TOP w0.076: 34.08,41.22 34.85,41.22 U1.AM28
  TOP w0.114: UD1.F11 14.76,44.54 14.76,44.31 14.4,43.95 14.16,43.95 13.66,43.45 13.66,41.71 15.16,40.21 15.16,39.3 16.53,37.9 16.76,37.73 16.78,37.71 16.93,37.57 17.72,36.94 27.36,36.94 28.97,37.24 29.99,37.24 31.13,38.39 31.2,38.39 34.02,41.22 34.08,41.22
SDQ6: length 27.7
  TOP w0.114: v1(37.4,43.66) 37.4,43.62 37.87,43.15 U1.AF24 ; UD1.B11 14.87,42.06 14.87,41.55 v1(15.59,40.83)
  L4 w0.076: 35.58,43.82 35.76,44.01 37.09,44.01 37.39,43.71 37.39,43.67 v1(37.4,43.66)
  L4 w0.114: v1(15.59,40.83) 16.26,40.83 16.39,40.7 19.74,40.7 19.93,40.51 20.17,40.51 20.29,40.4 20.29,40.31 20.4,40.2 20.63,40.2 20.74,40.31 20.74,40.4 20.86,40.51 21.09,40.51 21.2,40.4 21.2,40.31 21.31,40.2 21.54,40.2 21.66,40.31 21.66,40.4 21.77,40.51 22,40.51 22.11,40.4 22.11,40.31 22.23,40.2 22.46,40.2 22.57,40.31 22.57,40.4 22.69,40.51 22.91,40.51 23.03,40.4 23.03,40.31 23.14,40.2 23.37,40.2 23.49,40.31 23.49,40.4 23.6,40.51 29.6,40.51 30.64,41.54 32.99,41.54 33.86,42.41 33.94,42.41 35.35,43.82 35.58,43.82
SDQ7: length 27.7
  TOP w0.076: U1.AL28 35.17,41.4 33.85,41.4
  TOP w0.114: v1(15.41,43.99) 15.41,44.01 UD1.E11 ; 33.85,41.4 31.08,38.62 31.04,38.62 29.9,37.48 27.97,37.48 27.67,37.42 26.92,37.36 T14.1 17.91,37.36 16.96,38.1 v1(16.16,38.92)
  L4 w0.114: v1(16.16,38.92) 14.98,40.1 14.98,42.47 15.09,42.59 15.09,43.31 15.41,43.62 v1(15.41,43.99)
SDQ8: length 15.1
  TOP w0.076: U1.AM21 34.8,44.65 34.51,44.94 34.07,44.94 33.82,44.68 33.17,44.68 33.1,44.75 33.1,44.75 32.9,44.95 32.9,44.95 32.88,44.97 32.62,44.97 32.01,44.36 32.01,44.23
  TOP w0.114: UD1.B2 22.34,42.12 22.61,41.86 22.81,41.86 22.98,42.02 23.81,42.02 24.21,42.42 25.19,42.42 25.33,42.28 25.68,42.28 25.82,42.43 26.07,42.43 26.27,42.22 26.48,42.22 26.68,42.43 27.56,42.43 27.71,42.28 28.03,42.28 28.17,42.43 28.52,42.43 28.66,42.28 28.93,42.28 29.06,42.42 29.06,42.43 30.2,42.43 32.01,44.23
SDQ9: length 15.7
  TOP w0.076: U1.AL20 35.17,45.4 33.82,45.4 33.63,45.2 33.37,45.2 33,45.58 32.86,45.58
  TOP w0.114: UD1.F2 22.31,44.96 22.14,44.96 22.06,44.88 22.06,44.72 22.14,44.64 23.31,44.64 23.41,44.74 23.74,44.74 24.2,44.28 24.2,44.13 24.63,43.7 25.6,43.7 25.82,43.92 26.06,43.92 26.28,43.7 30.43,43.7 32.31,45.58 32.86,45.58
SDQ10: length 15.7
  TOP w0.076: U1.AL21 35.17,44.9 34.82,44.9 34.63,45.09 34,45.09 33.77,44.87 33.26,44.87 32.94,45.19 32.58,45.19 32.51,45.12
  TOP w0.114: UD1.C2 22.34,42.98 22.1,42.98 22.04,42.93 22.04,42.7 22.13,42.61 22.5,42.61 22.58,42.52 22.82,42.52 23.03,42.61 23.3,42.61 23.46,42.45 23.67,42.45 24.07,42.85 30.27,42.85 31.83,44.41 31.83,44.45 32.51,45.12
SDQ11: length 15.2
  TOP w0.076: 32.46,45.38 32.97,45.38 33.33,45.03 33.7,45.03 33.91,45.25 34.83,45.25 U1.AM20
  TOP w0.114: 32.46,45.38 30.36,43.28 24.36,43.28 23.71,43.93 21.95,43.93 21.88,44.01 21.88,44.19 21.97,44.28 UD1.E2
SDQ12: length 19.1
  TOP w0.114: U1.AF22 37.92,44.63 v1(37.9,44.65) ; UD1.E4 20.74,44.23 v1(20.96,44.01)
  L4 w0.114: v1(20.96,44.01) 21.1,44.15 23.16,44.15 23.37,43.95 24.56,43.95 25.27,43.24 32.49,43.24 33.41,44.17 34.54,44.17 35.37,45 37.56,45 v1(37.9,44.65)
SDQ13: length 22
  TOP w0.076: U1.AM24 34.83,43.25 33.15,43.25
  TOP w0.114: 33.15,43.25 33.12,43.25 29.99,40.12 T13.1 T9.1 20.49,40.12 19.59,41.02 19.15,42.08 19.15,43.7 19.46,44.01 20.06,44.01 20.37,44.31 20.54,44.73 UD1.F4
SDQ14: length 18.8
  TOP w0.114: v1(20.38,43.17) 20.57,42.98 UD1.C4 ; v1(36.38,44.65) 36.42,44.61 U1.AJ22
  L4 w0.076: v1(36.38,44.65) 36.06,44.33 35.66,44.33 35.53,44.46
  L4 w0.114: 35.53,44.46 35.21,44.46 34.17,43.42 33.35,43.42 32.57,42.64 23.42,42.64 23.17,42.89 23.17,43.38 22.87,43.67 21.36,43.67 20.85,43.17 v1(20.38,43.17)
SDQ15: length 18.3
  TOP w0.076: 33.16,43.63 33.52,43.63 33.76,43.4 35.17,43.4 U1.AL24
  TOP w0.114: UD1.B4 20.33,41.92 20.33,41.01 20.81,40.54 30.07,40.54 32.18,42.65 32.18,42.71 32.58,43.11 32.64,43.11 33.16,43.63
SDQ16: length 17.9
  TOP w0.114: UD1.V2 22.68,52.73 23.02,53.07 23.49,53.07 24.11,53.68 24.21,53.93 24.67,54.39 25.01,54.39 v1(25.42,53.98) ; U1.AH12 36.92,49.61 v1(36.89,49.65)
  L4 w0.076: 35.6,49.97 36.57,49.97 v1(36.89,49.65)
  L4 w0.114: v1(25.42,53.98) 25.55,54.11 29.44,54.11 29.73,53.82 29.73,53.82 29.98,53.57 30.37,53.57 32.8,51.14 34.19,51.14 35.37,49.97 35.6,49.97
SDQ17: length 16.9
  TOP w0.076: 32.05,49.95 32.05,49.95 33.04,49.95 33.17,50.08 34.22,50.08 34.23,50.07 34.64,50.07 34.82,49.9 35.17,49.9 U1.AL11
  TOP w0.114: UD1.AA2 22.34,54.8 22.54,54.99 23.26,54.99 23.35,55.08 24.92,55.08 25.57,54.42 25.96,54.42 27.23,53.16 27.23,52.91 27.12,52.8 27.12,52.64 27.28,52.48 27.45,52.48 27.55,52.58 27.71,52.58 27.87,52.42 27.87,52.26 27.77,52.16 27.77,51.99 27.93,51.83 28.09,51.83 28.2,51.94 28.36,51.94 28.56,51.73 28.56,51.38 28.75,51.19 29.11,51.19 29.49,50.81 29.79,50.81 30.64,49.95 32.05,49.95
